# KiCad board oresat-live-card.kicad_pcb (continued)
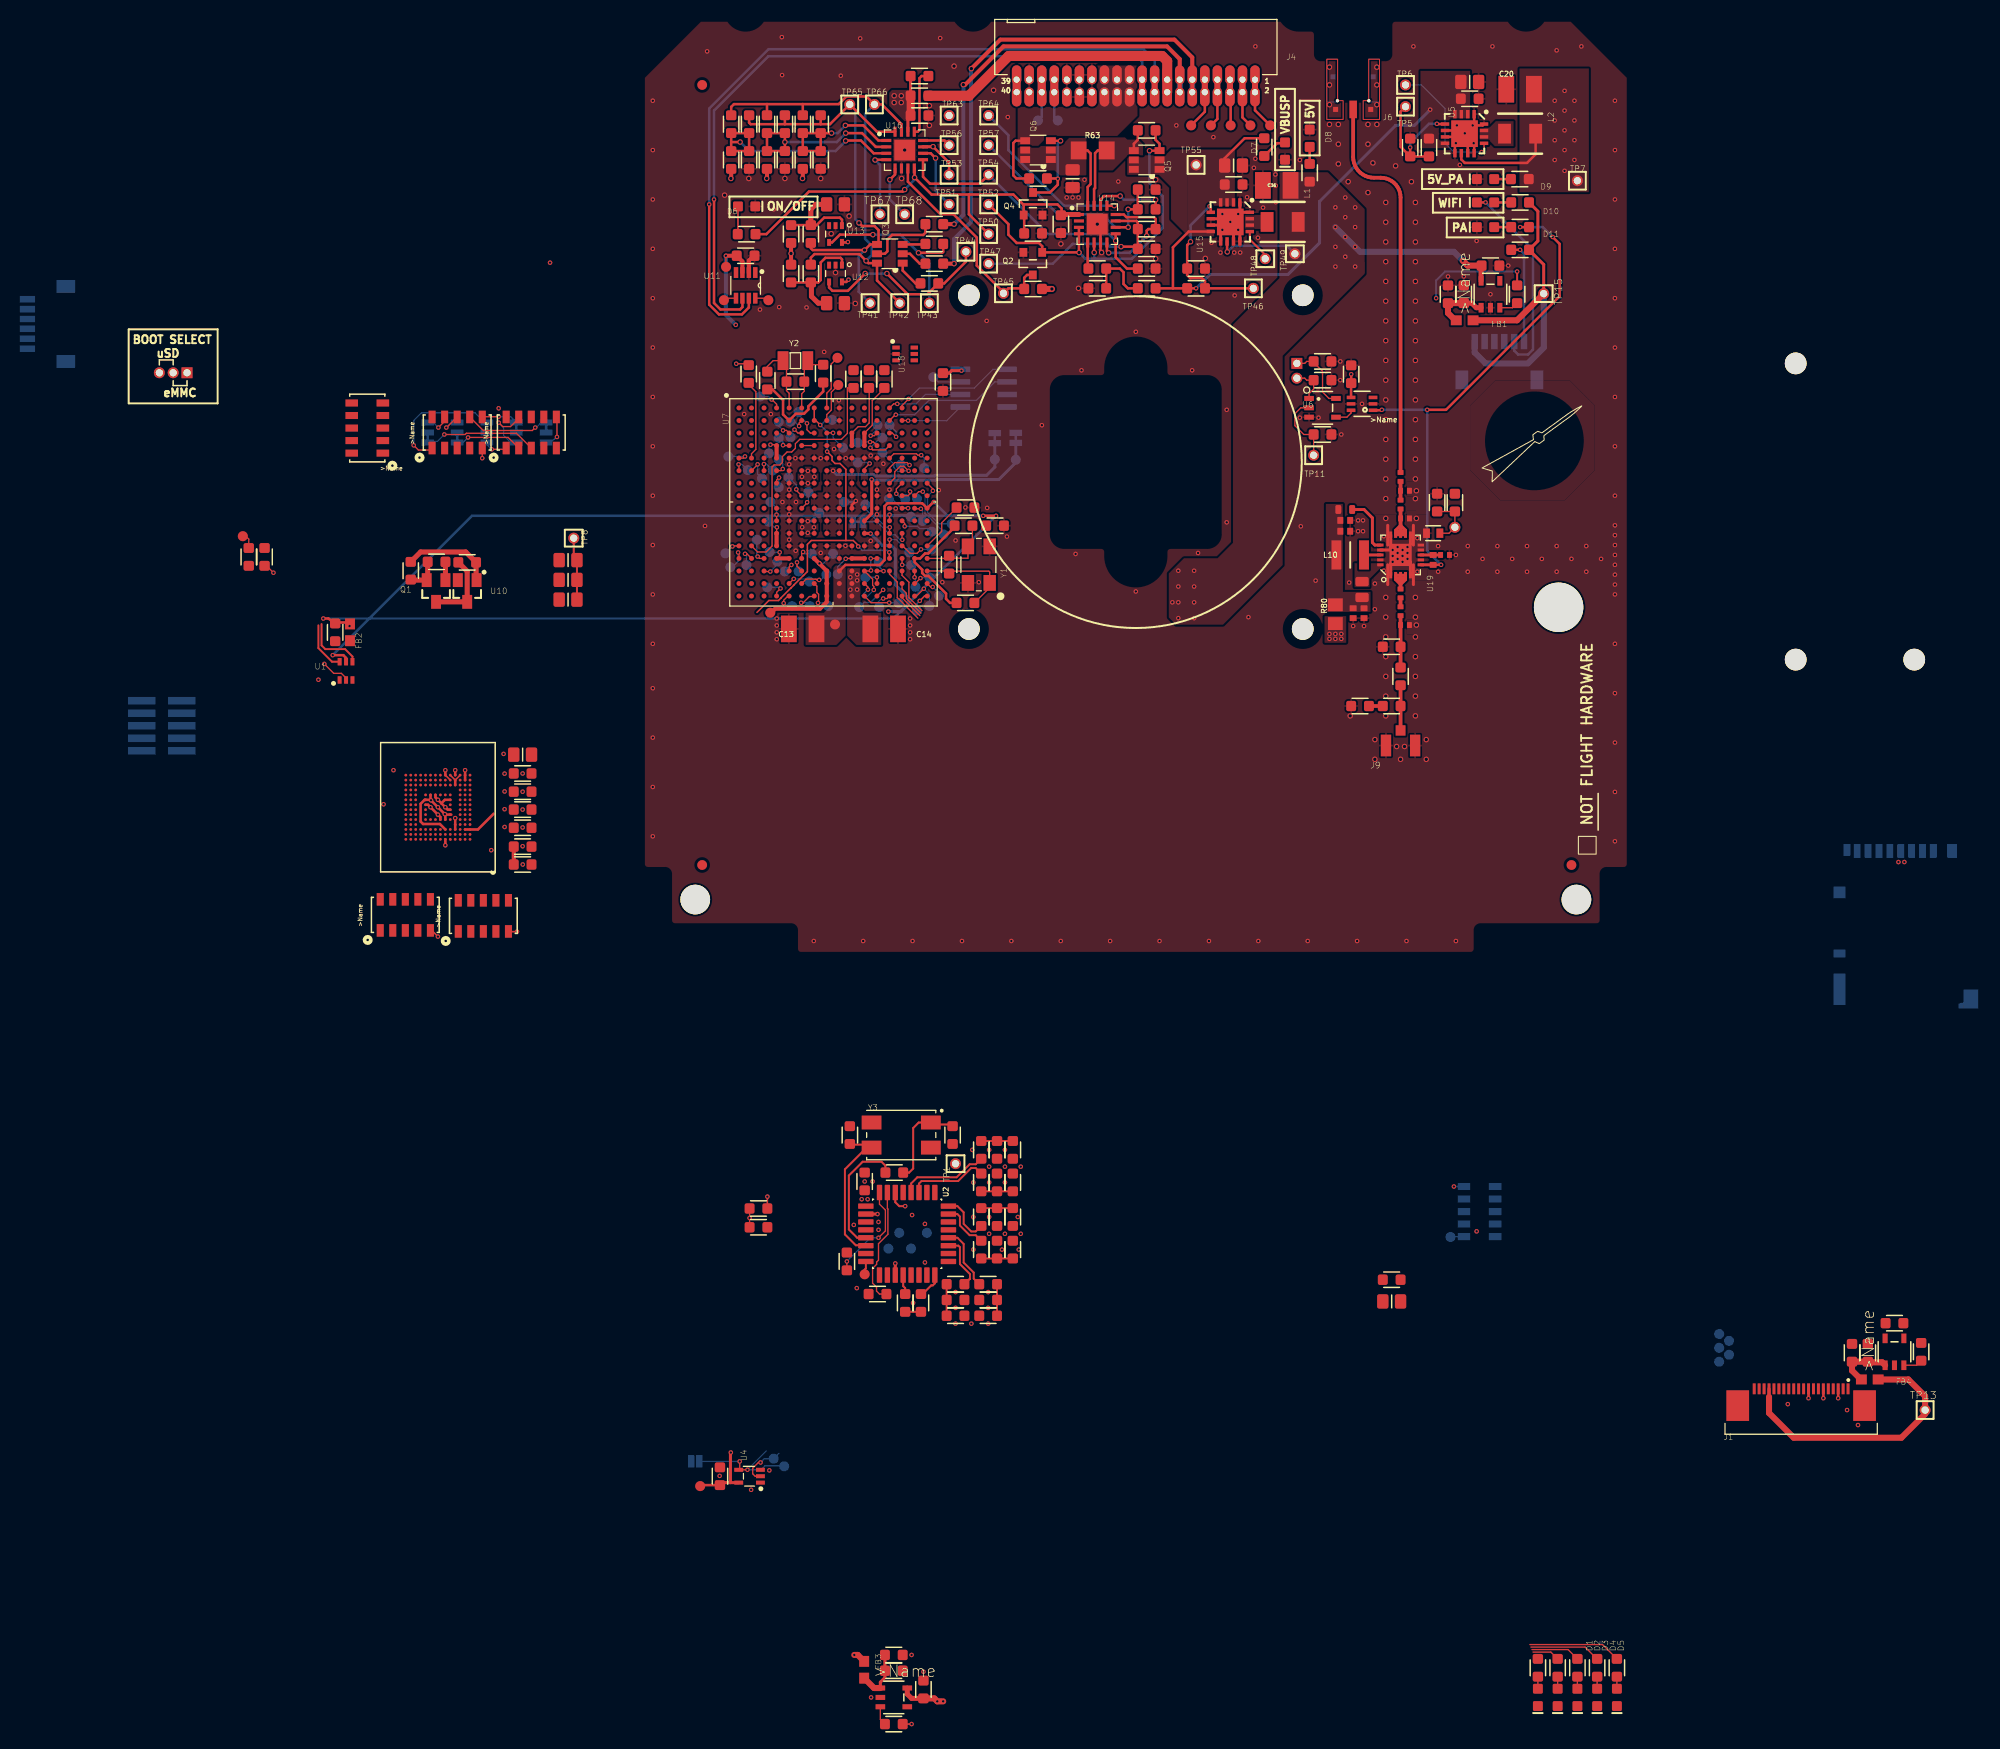
[diagram p0: board, top side]
## Routing (per net, layer and track width the routed paths; a pad name or vN(x,y) marks a point on that pad's centre or on a via; arc(x,y) is an arc through that point) (continued)
N$142: length 1.7
  Top w0.3: U19.18 L10.1
N$143: length 0.9
  Top w0.38: R84.1 C51.2
N$144: length 1.4
  Top w0.38: R87.2 R88.1
N$146: length 5.2
  Top w0.38: C51.1 L7.2 R85.2 R86.1
N$149: length 9.7
  Top w0.127: 31.18,-17.28 C64.1
  Top w0.2: 31.18,-17.28 29.35,-17.28 Y3.1 27.92,-17.08 27.36,-17.64 27.36,-21.74 26.95,-22.15 R98.2
N$151: length 1.3
  Top w0.191: U2.32 22.57,-31.85 22.45,-31.97 TP16.1
N$270: length 2.7
  Top w0.254: D7.A 65,82.1 64.2,82.1 R61.1
N$271: length 1.7
  Top w0.254: D8.A R62.1
N$385: length 4.5
  Top w0.254: TP53.1 31,80.12 v2(29.38,81.74)
  Top w0.305: v2(29.38,81.74) 28.38,81.74 U16.11
N$401: length 12.9
  Top w0.127: 18.61,38.8 U7.P8
  Top w0.406: U7.N7 17.85,39.54 v1(17.88,39.54) 17.88,39.52 U7.P8 U7.R8 U7.T8 18.61,35.64 17.93,34.95 13.39,34.95 12.99,34.55 TP4.1
  Bottom w0.127: v1(17.88,39.54) 18.28,39.54 TP130.1
N$404: length 1.7
  Top w0.127: U7.N6 16.08,40.56 v1(16.22,40.7)
  Bottom w0.127: v1(16.22,40.7) 16.41,40.51 TP129.1
N$405: length 2.2
  Top w0.127: U7.F11 22.42,49.14 v1(22.95,49.66)
  Bottom w0.127: TP161.1 22.85,49.76 v1(22.95,49.66)
N$407: length 7.5
  Top w0.508: Q1.C U10.3 -17.79,38.75 R31.1
N$479: length 7.3
  Top w0.254: Q3.5 24.5,70.9 24.75,71.15 24.75,72.34 25.22,72.81 28.38,72.81 28.6,73.03 R48.2
N$504: length 2.9
  Top w0.127: U7.D4 13.45,51.57 v1(12.92,51.57)
  Top w0.406: U7.E4 U7.D4
  Bottom w0.127: TP167.1 12.77,51.43 v1(12.92,51.57)
N$519: length 2.9
  Top w0.127: v1(13.56,43.2) 13.53,43.17 U7.L4
  Top w0.406: U7.M4 U7.L4
  Bottom w0.127: v1(13.56,43.2) 13.31,43.2 TP140.1
N$520: length 3.1
  Top w0.127: v1(13.84,40.67) 13.84,40.36 U7.N4
  Top w0.406: U7.N4 U7.N5
  Bottom w0.127: v1(13.84,40.67) 12.84,40.67 TP132.1
N$524: length 3.8
  Top w0.127: U7.N10 20.57,40.05 v1(20.53,40.01)
  Top w0.406: U7.N10 U7.N11
  Bottom w0.127: TP121.1 19.72,39.2 v1(20.53,40.01)
N$525: length 3.8
  Top w0.127: U7.T11 23.1,35.56 v1(24.94,35.56)
  Bottom w0.127: TP102.1 25.86,35.56 v1(24.94,35.56)
N$529: length 3.2
  Top w0.127: v1(24.97,41.95) 24.97,41.95 U7.M13
  Bottom w0.127: TP136.1 26.1,41.52 26.09,41.52 25.66,41.95 v1(24.97,41.95)
N$575: length 2.8
  Top w0.152: D6.A 9.62,72.91 R49.1
N$579: length 2.7
  Top w0.254: R41.2 28.03,69.9 27.03,70.9 Q3.2
N$580: length 19
  Top w0.254: R43.1 30.4,71.1 30.3,71 v2(27.9,71) ; v2(23.28,72.84) 19.94,72.84 19.15,72.05 U13.4
  Bottom w0.254: TP43.1 29,69.9 v2(27.9,71) 26.06,72.84 v2(23.28,72.84)
N$589: length 6.8
  Top w0.254: U16.13 27.82,83.26 28,83.44 28,88.68 28.22,88.9 R72.1
N$590: length 9.5
  Top w0.254: Q4.3 41.21,77.11 42,77.9 v1(42,78.5) 41.97,78.52 R52.1 ; Q6.3 41.31,82.34 v2(42.28,82.34)
  Bottom w0.254: v1(42,78.5) 42,82.06 v2(42.28,82.34)
N$596: length 23.6
  Top w0.254: U14.10 47.87,73.59 v2(49.12,73.59) ; v2(49.12,75.4) R50.1 R51.2
  Bottom w0.254: v2(49.12,75.4) v2(49.12,73.59) 47.81,73.59 46.5,74.9 42,74.9 TP57.1
N$597: length 21.1
  Top w0.254: v2(48.41,71.62) 49.88,71.62 R42.2 R47.1 50.1,74.08 49.96,74.22 U14.11
  Bottom w0.254: v2(48.41,71.62) 47.28,71.62 47,71.9 43.5,71.9 41.5,69.9 TP47.1
N$599: length 12.4
  Top w0.254: U14.12 48.68,74.87 48.95,74.61 51.73,74.61 51.91,74.43 51.91,73.41 R47.2 51.16,73.4 51,73.24 v2(51,72.71) ; U14.8 46.97,71.17 v2(47.16,70.99)
  Bottom w0.254: v2(47.16,70.99) 49.28,70.99 v2(51,72.71)
N$603: length 6.7
  Top w0.254: C33.1 49.09,67.4 48.66,67.84 48.66,69.02 48.28,69.4 R38.2 R33.2
N$604: length 2.7
  Top w0.254: R38.1 45.03,69.47 U14.5
N$609: length 5.1
  Top w0.127: U7.M16 30.25,42.79 30.25,43.66 31.76,45.17 R15.2
N$640: length 5.4
  Top w0.254: U3.C2 -16.7,12.6 -15.1,14.2 ; -13.11,10.9 C10.1
  Top w0.406: C12.1 C10.1
N$641: length 0.1
  Top w0.152: U3.A3 -18.45,11.55
N$643: length 0.1
  Top w0.152: U3.A5 -19.45,11.55 ; U7.R1 9.68,37.46
N$648: length 0.1
  Top w0.152: U7.R4 13.41,37.51
N$649: length 0.1
  Top w0.152: U3.M5 -19.45,17.05
N$651: length 0.1
  Top w0.152: U3.M6 -19.95,17.05
N$653: length 8.7
  Top w0.127: U7.P13 24.97,38.45 25.75,37.66 25.75,36.08 27.83,34 ; R2.1 91.91,-70.71 90.11,-70.71
N$654: length 7.7
  Top w0.127: R3.1 93.66,-70.46 90.01,-70.46 ; U7.T14 26.23,36.06 28.04,34.25
N$655: length 11
  Top w0.127: 89.9,-70.2 95.38,-70.2 96.58,-71.4 R4.1 ; 28.14,34.51 26.68,35.98 26.68,36.52 26.23,36.96 U7.R14
N$656: length 14.3
  Top w0.127: R5.1 97.15,-69.95 89.8,-69.95 ; 28.25,34.76 26.93,36.08 26.93,37.64 26.23,38.33 U7.P14
N$657: length 1.6
  Top w0.127: TP31.1 -40.2,42.3 -39.9,42 R19.2
ON/~{OFF}: length 46
  Top w0.254: 33,76.9 33,74.9 TP50.1 ; 33,76.9 29.22,76.9 v2(27.5,78.62) 27.5,79.52 U16.8 ; 33,76.9 37.5,76.9 38.5,75.9 ; R46.2 38.6,74.77 Q4.1 38.55,75.85 38.5,75.9 ; 38.5,75.9 41.97,75.9 42.39,75.48 42.39,74.87 ; v2(26.5,77.4) 26.3,77.2 16.81,77.2 12.5,72.89 R49.2
  Top w0.508: C34.1 42.39,74.87 U14.1
  Bottom w0.254: v2(27.5,78.62) 27.5,78.4 v2(26.5,77.4)
OPD_PWR: length 30.5
  Top w1.016: R71.1 33,86.9 37.03,90.93 52.56,90.93 53.07,90.42 J4.15 J4.16
  Bottom w0.61: J4.16 J4.15
OPD_SCL: length 44.3
  Top w0.406: v2(32.44,88.02) 32.62,88.02 36.5,91.9 53.06,91.9 54.34,90.62 J4.13 J4.14 ; v2(31.5,73.9) R48.1
  Bottom w0.406: v2(32.44,88.02) 32.44,74.84 v2(31.5,73.9)
  Bottom w0.61: J4.14 J4.13
OPD_SDA: length 50.7
  Top w0.406: v2(33.25,89.65) 36.19,92.59 53.81,92.59 55.62,90.78 J4.11 J4.12 ; v2(31.5,69.9) R41.1
  Bottom w0.406: v2(33.25,89.65) 33.22,89.62 33.22,74.12 31.5,72.4 v2(31.5,69.9)
  Bottom w0.61: J4.12 J4.11
OSC0_GND: length 12.4
  Top w0.254: C22.1 31.57,43.23 28.89,40.55 28.57,40.55 28.06,40.05 U7.N15 27.5,39.67 28.27,38.9 28.27,38.57 28.57,38.27 28.9,38.27 30.69,36.49 30.69,35.95 31.09,35.54 C19.1
OSC0_IN: length 10.4
  Top w0.127: C19.2 35.16,37.14 35.11,37.14 Y1.1 35.11,38.67 35.02,38.76 31.24,38.76 R13.2 31,38.57 30.79,38.78 U7.P16
OSC0_OUT: length 7.8
  Top w0.127: C22.2 33.36,41.72 Y1.3 32.91,40.07 31.25,40.07 R13.1 30.73,40.05 U7.N16
OSC1_GND1: length 10.1
  Top w0.254: C29.2 13.11,57.16 14.19,56.09 14.19,54.63 U7.B5 15.49,54.7 16.31,54.7 16.75,55.14 16.75,55.45 18.25,56.95 C30.2
OSC1_IN1: length 6.8
  Top w0.127: C30.1 17.1,59.66 Y2.P$2 16.34,59.72 R27.2 16.34,56.99 16.08,56.72 U7.A6
OSC1_OUT1: length 7.4
  Top w0.127: C29.1 12.59,59.48 13.19,60.07 Y2.P$1 14.54,59.72 R27.1 14.54,57.04 14.8,56.77 U7.A5
PA_ENABLE: length 7.4
  Top w0.127: R17.2 TP11.1 ; R17.2 68,52.6 ; R17.2 66.9,52.6 66,53.5 66,54.7 66.6,55.3 U6.2
PA_THERMISTOR: length 5.2
  Top w0.127: RT2.1 81.6,42.6 TP10.1 R18.2 C23.1
PA_TOGGLE: length 52.9
  Top w0.254: v1(92.1,72.6) 92.8,71.9 92.8,66.6 81.3,55.1 v1(79.4,55.1) ; R30.1 v1(88.8,73.6) ; R81.1 v1(80.8,39.4) ; U8.1 74.71,55.05 74.76,55.1 v1(74.8,55.1)
  Top w0.3: U19.6 R81.1
  Bottom w0.254: v1(92.1,72.6) 91.1,73.6 v1(88.8,73.6) ; v1(74.8,55.1) v1(79.4,55.1) 79.4,40.8 v1(80.8,39.4)
PB6/SCL: length 6.9
  Top w0.254: U16.4 23.52,80.42 v2(23.5,80.4)
  Bottom w0.254: TP67.1 24,79.9 v2(23.5,80.4)
PB7/SDA: length 5.5
  Top w0.254: v2(25,78.4) 25.52,78.92 U16.5
  Bottom w0.254: v2(25,78.4) 25,76.4 TP68.1
PEN-SCL-FILT: length 52.4
  Top w0.254: 12.56,86.06 9.22,86.06 8.94,85.77 R65.1 ; 12.56,86.06 R67.1 ; 12.56,86.06 16.19,86.06 ; R69.1 16.19,86.06 ; 16.19,86.06 19.83,86.06 20.6,86.83 22.63,86.83 TP66.1 24.19,86.02 26.17,84.04 U16.15 ; TP42.1 23.7,68.2 Q3.6 22.83,69.95 v2(22.59,70.18) 21.91,70.87 17.38,70.87 17,70.49 R37.2
  Bottom w0.254: TP66.1 22.5,85.09 22.5,72.4 23.16,71.74 23.16,70.74 v2(22.59,70.18)
PEN-SDA-FILT: length 49.2
  Top w0.254: 14.38,84.02 10.91,84.02 10.75,84.18 R66.2 ; 14.38,84.02 18,84.02 ; 14.38,84.02 R68.2 ; 18,84.02 18.94,84.02 TP65.1 23.7,83.26 U16.16 ; 18,84.02 R70.2 ; v2(21.88,74.02) 22.19,73.71 23.44,73.71 23.86,73.29 23.86,72.01 Q3.4 23.01,71.85 v2(22.44,71.27) 17.19,71.28 17,71.47 R45.2
  Bottom w0.254: v2(22.44,71.27) 21.84,70.68 21.84,67.06 TP41.1 ; TP65.1 21.5,85.46 21.5,74.4 v2(21.88,74.02)
PMIC_PGOOD: length 10.8
  Top w0.127: U4.2 11.36,-52.9 11.11,-52.65 11.11,-52.09 11.69,-51.51 v1(11.91,-51.51) ; U7.N12 23.07,40.05 v1(23.06,40.04) ; v1(23.09,38.82) 23.04,38.78 U7.P11 23.25,37.95 23.25,37.33 23.38,37.2 v1(23.38,36.86)
  Bottom w0.127: 13.77,-50.59 TP110.1 12.29,-51.12 v1(11.91,-51.51) ; v1(23.09,38.82) 23.06,38.85 v1(23.06,40.04) ; 22.49,35.97 v1(23.38,36.86)
POUT: length 18.1
  Top w0.254: v2(47.72,75.77) 47.7,75.76 U14.13
  Bottom w0.254: TP64.1 37,82.9 37,81.4 42.62,75.77 v2(47.72,75.77)
RESET#: length 14.2
  Top w0.127: v1(10.58,-52.24) 10.58,-52.25 U4.4 9.8,-52.15 v1(9.8,-51.4) ; v1(22.78,36.89) 22.78,37.15 U7.R11
  Bottom w0.127: 12.49,-50.33 v1(10.58,-52.24) 11.96,-52.24 12.36,-51.84 14.24,-51.84 TP109.1 ; JP1.1 v1(9.8,-51.4) ; v1(22.78,36.89) 22.12,36.23
SPARE1: length 6.5
  Top w0.254: J4.10 56.88,85.28 TP58.1
  Top w0.61: J4.10 J4.9
  Bottom w0.61: J4.10 J4.9
SPARE2: length 4.9
  Top w0.254: TP59.1 58.16,84.55 J4.8
  Top w0.61: J4.8 J4.7
SPARE3: length 5.9
  Top w0.254: J4.6 59.5,87.19 TP60.1
  Top w0.61: J4.6 J4.5
  Bottom w0.61: J4.6 J4.5
SPARE4: length 6.2
  Top w0.254: TP61.1 60.69,84.7 J4.4
  Top w0.61: J4.4 J4.3
  Bottom w0.61: J4.4 J4.3
TPS62111-PG: length 3.4
  Top w0.2: U15.13 61.44,72.35 63,70.79 TP48.1
TPS62111-SYNC: length 16.3
  Top w0.254: U15.5 57.49,75.59 v1(57.37,75.71) ; TP46.1 R34.1 56.9,68.12 56.59,68.43 55.41,68.43 55.09,68.74 55.09,69.39 R40.2 55.1,71.78 v2(55.44,72.12)
  Bottom w0.254: v1(57.37,75.71) 55.44,73.78 v2(55.44,72.12)
TPS62111-SYNC1: length 13.3
  Top w0.254: R14.2 v1(77.68,81.66) ; R14.2 R12.1 ; R14.2 76.7,81.74 76.7,85.3 TP5.1 ; U5.5 80.4,84.04 v1(80.38,84.06)
  Bottom w0.254: v1(77.68,81.66) 77.68,82.16 79.57,84.06 v1(80.38,84.06)
TUSB_BUSPWR: length 2.7
  Top w0.2: U2.8 29.55,-33.37 29.35,-33.57 29.19,-33.57 28.32,-34.45 R99.2
TUSB_XTAL1: length 15.1
  Top w0.127: 21.02,-19.32 C63.1 ; 22.53,-29.51 U2.30 ; Y3.3 22.65,-19.62
  Top w0.2: Y3.3 22.85,-19.32 21.02,-19.32 ; 22.65,-19.62 20.45,-21.82 20.45,-28.41 21.55,-29.51 22.53,-29.51
TUSB_XTAL2: length 12.7
  Top w0.2: U2.29 21.69,-28.75 20.85,-27.91 20.85,-22.45 22.25,-21.05 24.15,-21.05 24.55,-21.45 R98.1
TUSB_~{RESET}: length 2
  Top w0.2: U2.4 26.35,-33.65 26.55,-33.85 R97.2
TX_IN: length 4.6
  Top w0.38: J9.1 R87.1 R86.2
TX_OUT: length 39.8
  Top w0.38: C49.2 76.7,76.6 76.68,76.88 76.62,77.16 76.52,77.43 76.38,77.68 76.21,77.91 76.01,78.11 75.78,78.28 75.53,78.42 75.26,78.52 74.98,78.58 74.7,78.6 74,78.6 73.7,78.62 73.41,78.69 73.13,78.79 72.86,78.93 72.62,79.11 72.41,79.32 72.23,79.56 72.09,79.83 71.99,80.11 71.92,80.4 71.9,80.7 J6.RF
USB_CAM_N: length 3.2
  Top w0.191: R77.1 R78.2 C57.1
USB_CAM_P: length 3.2
  Top w0.191: C58.1 R83.2 R79.1
USB_CAM_VBUS: length 1.3
  Top w0.61: v1(21.4,-71) 21.75,-71 FB3.2
USB_DEV_N: length 5
  Top w0.191: U1.6 -31.48,29.59 -32.85,30.96 -32.85,33.27
USB_DEV_P: length 6.3
  Top w0.191: -32.53,33.4 -32.53,31.24 -32.15,30.86 -30.15,30.86 -29.4,30.11 U1.4
USB_HO_N: length 3.2
  Top w0.191: R89.1 R90.2 C59.1
USB_HO_P: length 3.2
  Top w0.191: R91.1 R92.2 C60.1
USB_HO_VBUS: length 27.5
  Top w0.305: 114,-44.86 J1.17
  Top w0.61: 114,-44.86 114,-46.5 116.5,-49 127.4,-49 129.8,-46.6 TP13.1 129.8,-44.8 128.1,-43.1 FB4.2
USB_WIFI_N: length 3.2
  Top w0.191: C61.1 R94.2 R93.1
USB_WIFI_P: length 3.2
  Top w0.191: R95.1 R96.2 C62.1
USB_WIFI_VBUS: length 33.6
  Top w0.254: 89.8,76 R21.1
  Top w0.305: 89.8,76 90.6,75.2 90.6,72.2 R29.1 91.19,69.81 TP15.1
  Top w0.61: FB1.2 88.49,64.16 TP15.1
  Bottom w0.305: 91.2,66.85 TP15.1
  Bottom w0.61: 91.2,66.85 91.2,61.4 89.6,59.8 85.3,59.8 84.2,60.9 J2.6
USBH1_N: length 5.6
  Top w0.191: R77.2 33.05,-32.95 33.08,-32.95 33.11,-32.92 33.11,-32.43 32.09,-31.41 32.09,-29.7 31.94,-29.55 U2.11
USBH1_P: length 6.5
  Top w0.191: U2.12 31.84,-28.75 32.47,-29.38 32.47,-31.26 33.49,-32.27 33.49,-32.89 R79.2
USBH2_N: length 5
  Top w0.191: U2.15 31.84,-26.35 32.09,-26.6 32.09,-27.51 33.07,-28.49 33.69,-28.49 R89.2
USBH2_P: length 5.3
  Top w0.191: U2.16 31.84,-25.55 32.47,-26.18 32.47,-27.35 33.23,-28.11 33.69,-28.11 R91.2
USBH3_N: length 8.1
  Top w0.191: R93.2 33.69,-21.69 33.23,-21.69 31.91,-23.01 28.2,-23.01 27.95,-23.26 U2.19
USBH3_P: length 9.1
  Top w0.191: R95.2 33.69,-21.31 33.07,-21.31 31.76,-22.63 27.78,-22.63 27.15,-23.26 U2.20
VPD: length 43.4
  Top w0.254: v1(20.81,68.27) 20.59,68.05 U12.5 ; v1(20.75,72.09) 20.71,72.05 U13.5
  Top w0.305: C39.2 26.83,84.62 U16.14 ; R71.2 R72.2
  Top w0.406: v2(16.16,78.52) 16.19,78.56 R57.2 ; v2(12.53,78.52) 12.56,78.56 R55.2 ; R36.2 v2(15,70.93) R44.2 ; v2(8.91,78.52) 8.94,78.56 R53.2
  Top w0.61: R32.2 v2(41.41,67.34)
  Top w0.813: C39.2 R71.2
  In2.Cu w0.61: v2(41.41,67.34) 40.06,68.68 40.06,78.74 35.41,83.4 32.5,83.4 TP63.1
  In2.Cu w1.016: v2(25.44,86.21) 25.44,85.43 25.97,84.9 TP63.1
  vias: v2(25.44,86.9) v2(26.16,86.9) v2(26.16,86.21)
WIFI_ENABLE: length 10.4
  Top w0.254: R29.2 v1(88.8,71.3)
  Bottom w0.254: v1(88.8,71.3) 89.2,70.9 J2.1
WIFI_STATUS: length 20.9
  Top w0.254: D10.C v1(85.3,76.1)
  Bottom w0.254: v1(85.3,76.1) 90.1,71.3 90.1,61.2 89.6,60.7 88.6,60.7 88.2,61.1 J2.2
WIFI_~{OVERCUR}: length 1.9
  Top w0.127: U20.3 88.04,65.44 R7.1
~{FAULT}: length 21.9
  Top w0.254: Q2.3 38.89,68.76 38.6,68.47 R32.1 38.54,67.4 37,67.4 TP45.1 36.5,67 33.8,69.7 33.8,72.54 31.44,74.9 30.12,74.9 26.83,78.2 U16.7
~{SD}: length 2.5
  Top w0.813: J4.40 J4.39
  Bottom w0.813: J4.40 J4.39

## Copper pours and planes (outline as drawn; the poured copper is in the pictures)
3.3V on Top: 23.53,-26.83 21.57,-26.83 21.57,-23.67 23.53,-23.67
3.3V on Top: -12.54,11.9 -16.63,11.9 -16.63,21.13 -12.54,21.13
3.3V on Top: 17.76,49.11 17.76,47.48 17.53,47.25 15.91,47.25 15.67,47.48 15.67,49.11 15.91,49.34 17.53,49.34
3.3V on Top: 78.52,-36.15 75.79,-36.15 75.79,-32.43 78.52,-32.43
3.3V on Bottom: 127.99,9.69 128.12,9.56 128.12,9.17 127.96,9.01 126.87,9.01 126.71,9.17 126.71,9.6 126.81,9.69 126.81,11.19 127.99,11.19
3.3VA on Top: 20.25,49.07 20.25,42.42 20.09,42.26 18.44,42.26 18.25,42.45 18.25,44.67 18.16,44.76 17.22,44.76 17,44.99 17,46.54 17.19,46.73 18.13,46.73 18.25,46.85 18.25,49.07 18.47,49.29 20.03,49.29
5V on Top: 22.03,38.99 22.03,34.89 22.38,34.54 24.13,34.54 24.13,31.29 21.62,31.29 20.67,32.23 20.67,38.99 20.92,39.24 21.78,39.24
5V on Top: 73.06,68.87 64.76,60.57 64.76,39.37 58.73,33.34 53.97,33.34 53.24,34.07 53.24,38.53 54.77,40.06 58.17,40.06 59.74,41.63 59.74,63.73 64.44,68.43 64.44,70.06 73.06,70.06
5V on Top: 73.06,75.43 73.06,68.95 64.44,68.95 64.44,79.15 69.34,79.15
5V_PA on Top: 95.76,77.14 88.74,77.14 88.74,89.66 95.76,89.66
5V_PA on Top: 71.2,31.5 69,31.5 69,34.2 71.2,34.2
5V_PA on In2.Cu: 95.86,64.97 75.33,44.44 71.96,44.44 71.96,31.14 68.84,31.14 68.84,48.36 72.77,48.36 91.24,66.83 91.24,89.96 95.86,89.96
GND on Top: 96.36,55.53 96.36,48.97 93.33,45.94 86.77,45.94 83.74,48.97 83.74,55.53 86.27,58.06 93.83,58.06
GND on Top: 79.46,37.84 73.94,37.84 73.94,44.46 79.46,44.46
GND on Top: 78.26,43.34 77.34,43.34 77.34,44.86 78.26,44.86
GND on Top: 101.56,-0.56 -0.56,-0.56 -0.56,95.26 101.56,95.26
GND on Top: 78.26,46.34 77.34,46.34 77.34,47.86 78.26,47.86
GND on Top: 78.26,32.34 77.34,32.34 77.34,33.86 78.26,33.86
GND on Bottom: 101.06,-0.06 -0.06,-0.06 -0.06,94.96 101.06,94.96
GND on In1.Cu: 102.06,-1.06 -1.06,-1.06 -1.06,95.76 102.06,95.76
GND on In2.Cu: 102.56,-1.56 -1.56,-1.56 -1.56,96.26 102.56,96.26
VBUS on Top: 50.06,84.87 48.03,82.84 41.03,82.84 40.03,81.84 37.94,81.84 37.94,85.78 45.29,85.78 45.94,86.43 45.94,89.96 50.06,89.96
VBUS on Bottom: 50.06,85.65 45.94,85.65 45.94,89.96 50.06,89.96
VBUSP on Top: 59.93,75.76 57.83,75.76 57.83,72.66 55.17,72.66 55.17,81.46 59.93,81.46
VBUSP on Top: 56.44,81.05 56.44,72.68 55.19,72.68 53.47,74.4 53.47,77.65 52.22,78.9 49.03,78.9 49.03,80.87 52.88,80.87 53.47,81.46 56.03,81.46
VBUSP on Top: 83.74,84.6 81.9,84.6 81.64,84.34 81.64,81.6 78.71,81.6 78.71,89.43 83.74,89.43
VDD on Top: 17.76,44.04 17.76,42.42 17.53,42.19 15.91,42.19 15.67,42.42 15.67,44.04 15.91,44.27 17.53,44.27
VIN_USB on Top: 20.53,39.09 20.53,32.23 19.58,31.29 16.47,31.29 16.47,34.54 18.32,34.54 19.27,35.49 19.27,39.09 19.52,39.34 20.28,39.34
N$3 on Top: 21.53,49.13 21.53,47.32 22.09,46.76 22.56,46.76 22.78,46.54 22.78,44.99 22.56,44.76 22.12,44.76 21.53,44.17 21.53,42.45 21.31,42.23 21,42.23 20.78,42.45 20.78,49.1 20.97,49.29 21.37,49.29
N$53 on Top: 22.71,44.09 22.71,42.34 22.58,42.2 22.22,42.2 22.09,42.34 22.09,44.09 22.22,44.23 22.58,44.23
N$98 on Top: 44.89,78.9 44.83,78.84 42.17,78.84 41.67,79.34 38.47,79.34 37.94,79.87 37.94,81.65 38.1,81.81 42.32,81.81 43.19,82.68 44.89,82.68
N$99 on Top: 49.03,82.46 50.15,82.46 50.63,81.99 50.63,80.87 49.09,80.87 47.56,79.34 46.15,79.34 46.15,82.68 48.81,82.68
N$134 on Top: 70.86,41.63 70.87,41.62 70.87,36.66 73.66,36.66 73.66,34.64 69.14,34.64 69.14,45.56 70.86,45.56
N$140 on Top: 74.86,39.27 73.56,37.97 73.56,37.14 72.04,37.14 72.04,39.56 74.86,39.56
N$405 on Top: 22.78,49.1 22.78,47.52 22.59,47.32 22.25,47.32 22.06,47.52 22.06,49.1 22.25,49.29 22.59,49.29
TPS62111_SW on Top: 63.43,73.42 60.91,73.42 60.91,74.83 63.43,74.83
TPS62111_SW1 on Top: 88.14,81.8 86.25,81.8 85.65,82.4 84.71,82.4 84.71,83.73 85.75,83.73 86.35,84.33 88.14,84.33
USB_DEV_VBUS on Top: 122.25,-44.75 121.25,-44.75 121.25,-42.91 122.25,-42.91
VPD on Top: 27.56,84.34 26.47,84.34 24.94,85.87 24.94,87.21 25.22,87.49 27.56,87.49
VPD on In2.Cu: 27.06,82.87 21.56,77.37 21.56,68.37 20.53,67.34 16.97,67.34 7.94,76.37 7.94,79.93 8.47,80.46 19.47,80.46 24.44,85.43 24.44,87.96 27.06,87.96

## Text on the board
B.Silkscreen: 0 | 1 | SYSBOOT [4:0] | DEFAULT : 0b11100 | 2 | 3 | 4 | JTAG | eMMC    : 0b11100 | uSD     : 0b11000 | NOTE: SYSBOOT[2] is set to 1 by / default. It can be set to 0 with / JP107, BUT NOT BOTH. See AM335x / TRM Table 26-7 for details.
F.Fab: 50 mm long U.FL / cable passthrough | Thermal path | CHASM / OF / DOOM
F.Silkscreen: OLIVER REW, NICHOLAS LEKAS, OLIVER JONES | 2021/08/07 | BOOT SELECT | uSD | eMMC | ON/OFF | 5V_PA | WIFI | PA | VBUSP | 5V | OreSat DxWiFi Test Board v2.0
